# Altium PCB 省电模块版v1.0.PcbDoc
Units mil, origin at the board's own origin, x right, y up, seen from the top; angles counter-clockwise.
Board outline 6000 x 4000 mil, 2 copper layers (Top Layer, Bottom Layer); 9 components, 25 nets, 73 pads, 27 vias.
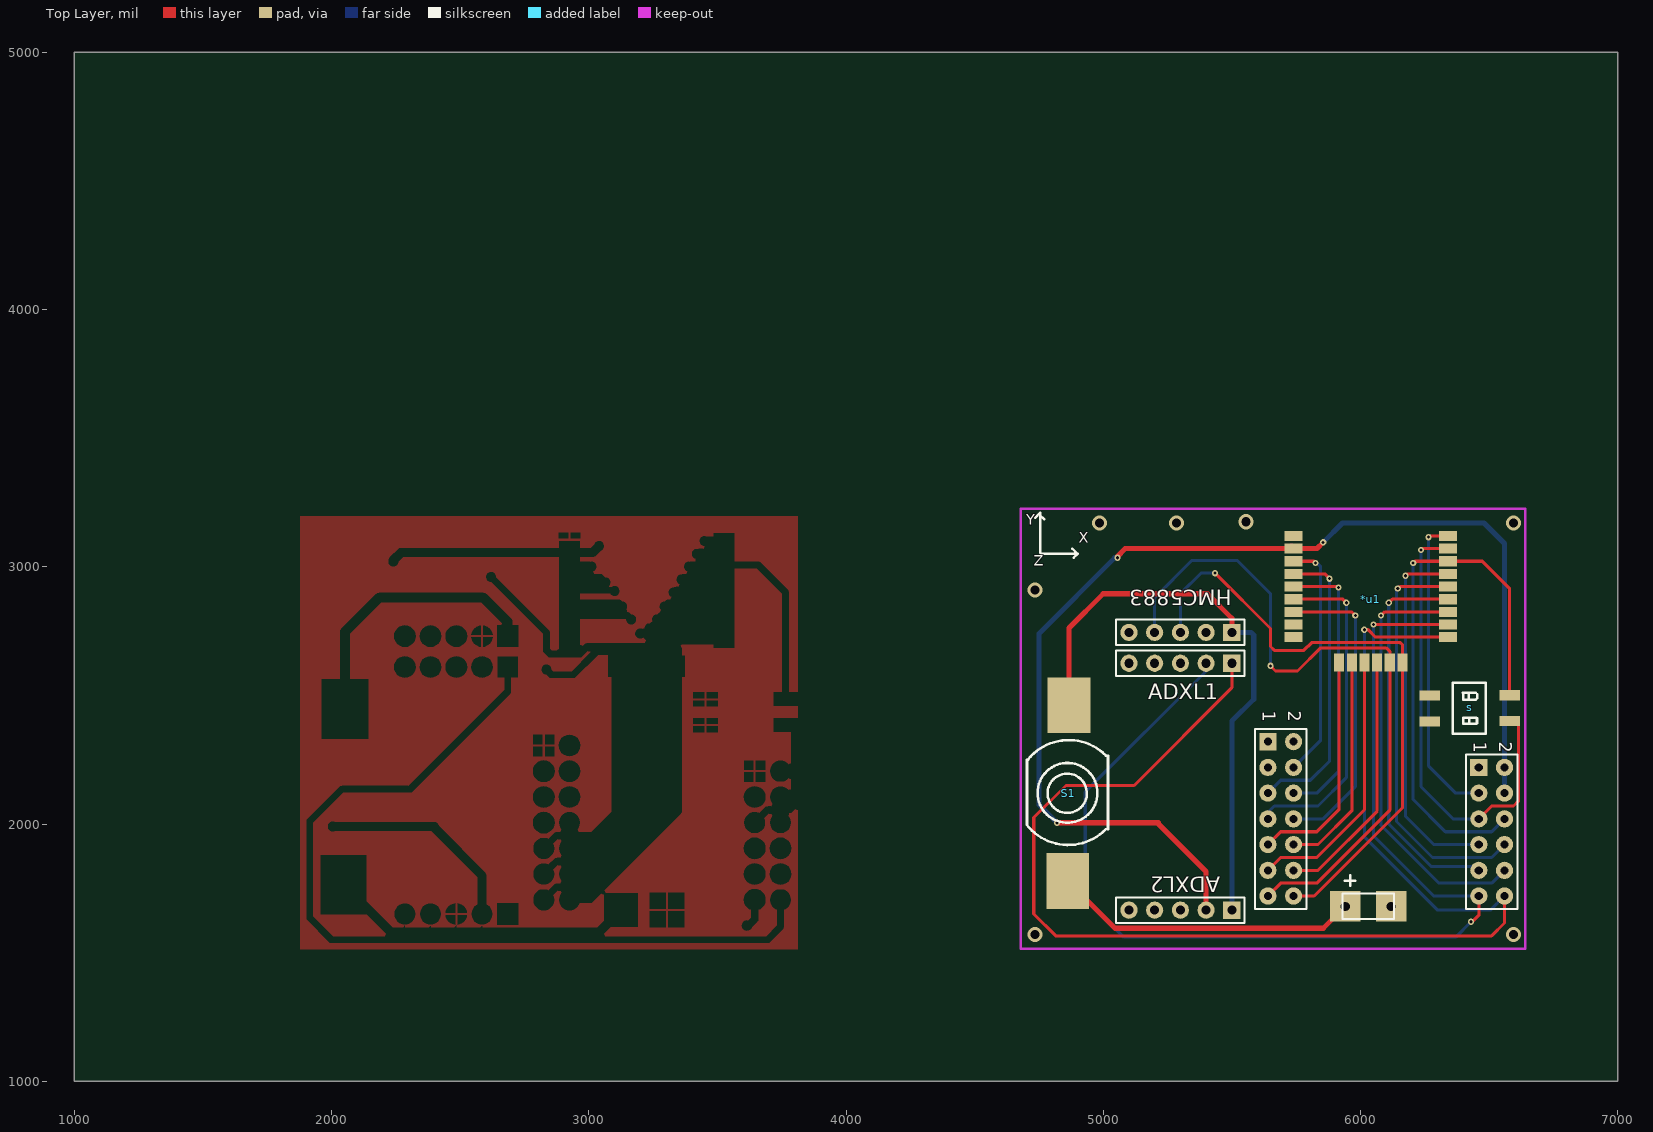
[diagram p0: Top Layer view]
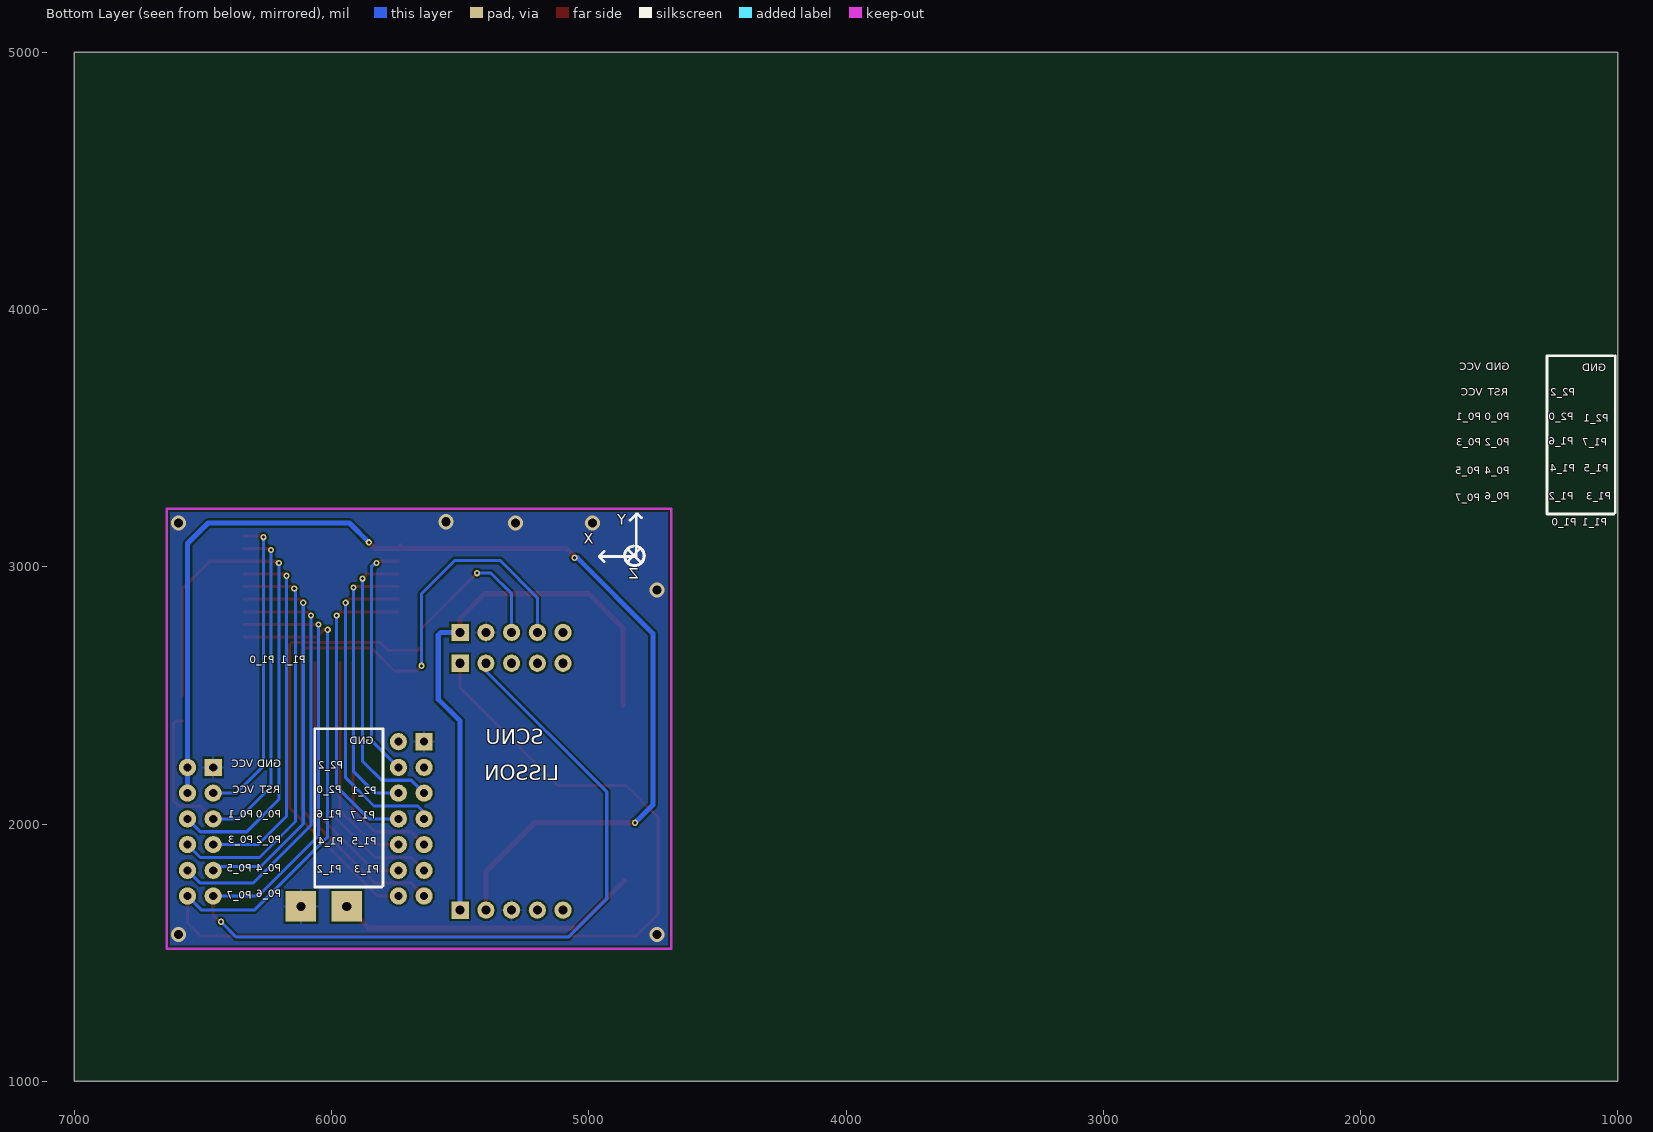
[diagram p1: Bottom Layer view, seen from below]

## Layer stack, top to bottom
Top Layer: signal copper 1.4
Dielectric: dielectric 12.6, FR-4, Dk 4.8
Bottom Layer: signal copper 1.4

## Board outline
1000,1000 7000,1000 7000,5000 1000,5000

## Design rules (kind name [scope] priority, off if disabled: settings)
Clearance [All] p1: gap=8
ComponentClearance [All] p1: gap=10 collisioncheckmode=3 verticalgap=10
PolygonConnect [All] p1: connectstyle=Relief reliefconductorwidth=10 reliefentries=4 polygonreliefangle="90 Angle"
RoutingVias [All] p1: holewidth=28 width=50 viastyle="Through Hole" minholewidth=12 minwidth=12 maxholewidth=78.74 maxwidth=78.74
SolderMaskExpansion [All] p1: expansion=4
TestPointUsage [All] p1: valid=0 allowmultiple=FALSE
Testpoint [All] p1: side=15 testpointundercomponent=TRUE minsize=40 maxsize=100 preferedsize=60 minholesize=0 maxholesize=40 preferedholesize=32 testpointgrid=1 style=1023 order=0123456789
Width [All] p1: maxlimit=20 minlimit=10 preferedwidth=10
18 further rules are at their usual default settings.

## Classes and differential pairs
component class 省电模块版v1.0: *u1

## Components (designator, comment, footprint, x,y, rotation, side; value= is the part's Value field where it differs from the comment)
*u1 "mini_zigzee" mini_zigbee 5740,3120 r0 top
ADXL1 "Header 5H" HDR1X5 5500,2625 r180 top
ADXL2 "Header 5H" HDR1X5 5500,1665 r180 top
HMC5883 "Header 5" HDR1X5 5500,2745 r180 top (schematic designator HMCL5883)
JP2 "Header 2X7" HDR2-7 5640,2320 r270 top
JP3 "Header 2X6" HDR2-6 6460,2220 r270 top
s "贴片拨码开关" 贴片拨码开关 6580,2400 r90 top
S1 "SW-SPST" 手电筒开关 4860,2120 r270 top
电源 "" HDR1X2 6080,1680 r180 top

## Footprints (in the part's own frame and the unit in brackets; to place one, negate y for a bottom-side part, rotate by r counter-clockwise, add the part's x,y. Pads: shape width x height; smd on the part's side, far side on the other; paste and mask are expansions set on the pad)
HDR1X2 [mm] "Connector; Header; 2 Position"
  rect 3x3 hole 0.9: 1(-1,0) 2(3.54,0)
  silkscreen extent -1.27,-1.27 3.81,1.27
HDR1X5 [mm] "Connector; Header; 5 Position"
  rect 1.7x1.7 hole 0.9: 1(0,0)
  round 1.7 hole 0.9: 2(2.54,0) 3(5.08,0) 4(7.62,0) 5(10.16,0)
  silkscreen extent -1.27,-1.27 11.43,1.27
HDR2-6 [mm]
  rect 1.7x1.7 hole 0.8: 1(0,0)
  round 1.7 hole 0.8: 2(0,2.54) 3(2.54,0) 4(2.54,2.54) 5(5.08,0) 6(5.08,2.54) 7(7.62,0) 8(7.62,2.54) 9(10.16,0) 10(10.16,2.54) 11(12.7,0) 12(12.7,2.54)
  silkscreen extent -1.27,-1.27 13.97,3.81
HDR2-7 [mm]
  rect 1.7x1.7 hole 0.8: 1(0,0)
  round 1.7 hole 0.8: 2(0,2.54) 3(2.54,0) 4(2.54,2.54) 5(5.08,0) 6(5.08,2.54) 7(7.62,0) 8(7.62,2.54) 9(10.16,0) 10(10.16,2.54) 11(12.7,0) 12(12.7,2.54) 13(15.24,0) 14(15.24,2.54)
  silkscreen extent -1.27,-1.27 16.51,3.81
mini_zigbee [mm] "zigbee"
  rect 1.75x1 smd: 1(0,0) 2(0,-1.25) 3(0,-2.5) 4(0,-3.75) 5(0,-5) 6(0,-6.25) 7(0,-7.5) 8(0,-8.75) 9(0,-10) 16(15.25,-10) 17(15.25,-8.75) 18(15.25,-7.5) 19(15.25,-6.25) 20(15.25,-5) 21(15.25,-3.75) 22(15.25,-2.5) 23(15.25,-1.25) 24(15.25,0)
  rect 1x1.75 smd: 10(4.5,-12.5) 11(5.75,-12.5) 12(7,-12.5) 13(8.25,-12.5) 14(9.5,-12.5) 15(10.75,-12.5)
手电筒开关 [mm]
  rect 5.5x4.2 smd: 1(8.675,0.05) 2(-8.675,0.175)
  silkscreen extent -5.24,-4 5.12,4.03
贴片拨码开关 [mm]
  rect 1x2 smd: 1(0,0) 2(2.55,0) 3(2.525,7.9) 4(-0.025,7.9)
  silkscreen extent -1.25,2.37 3.77,5.63

## Part data
ADXL1 ADXL2: "Header, 5-Pin, Right Angle"
HMC5883: "Header, 5-Pin"
JP2: "Header, 7-Pin, Dual row"
JP3: "Header, 6-Pin, Dual row"
S1: "Single-Pole, Single-Throw Switch"
电源: library part H-2, "Header, 2-Pin"

## Via types
v1: diameter 24, hole 12, Top Layer to Bottom Layer, 20 vias
v2: diameter 59.06, hole 35.43, Top Layer to Bottom Layer, 7 vias

## Nets (pads, with @x,y where several pads share a name; then routed paths per layer and width w, separated by ;. In a path a pad name is that pad's centre, name@x,y a point inside that pad or via, vN(x,y) a via of type N, cw(c..) or ccw(c..) an arc to the next point about the centre after c; other vN are vias at no path point)
3.3V: *u1.2 ADXL2.2 JP3.2 JP3.4 | length 4582.8
  Top Layer w20: v1(4820,2005) 5215,2005 5215,2000 5400,1815 ADXL2.2 ; v1(5055,3035) 5055,3040 5085.79,3070.79 5830.79,3070.79 v1(5855,3095) ; *u1.2@5730.79,3080 *u1.2
  Bottom Layer w20: v1(4820,2005) 4750,2075 4750,2740 5045,3035 v1(5055,3035) ; v1(5855,3095) 5930,3170 6480,3170 6560,3090 JP3.4
345SCL: *u1.16 ADXL1.1 JP3.12 | length 5268.2
  Top Layer w12: ADXL1.1 5500,2530 5120,2150 4855,2150 4730,2025 4730,1650 4815,1565 6510,1565 6560,1615 JP3.12 ; v1(6015,2755) 6030,2755 6058.7,2726.3 *u1.16
  Bottom Layer w12: v1(6015,2755) 6015,1950 6300,1665 6505,1665 JP3.12
345SDA: *u1.17 ADXL1.2 JP3.11 | length 4430
  Top Layer w12: v1(6050.51,2775.51) *u1.17 ; v1(6430,1620) 6435,1620 6460,1645 JP3.11
  Bottom Layer w12: ADXL1.2 5400,2595 4930,2125 4930,1710 5080,1560 6370,1560 v1(6430,1620) ; v1(6050.51,2775.51) 6050,2775 6050,1955 6285,1720 JP3.11
5883SCL: *u1.15 HMC5883.3 JP2.14 | length 2426.4
  Top Layer w12: v1(5435,2975) 5650,2760 5650,2690 5665,2675 5780,2675 5810,2705 6155,2705 6163.23,2696.77 6163.23,2063.23 5820,1720 JP2.14
  Bottom Layer w12: HMC5883.3 5300,2895 5380,2975 v1(5435,2975)
5883SDA: *u1.14 HMC5883.4 JP2.13 | length 2723.6
  Top Layer w12: JP2.13 5690,1770 5830,1770 6114.02,2054.02 6114.02,2670.98 6100,2685 5845,2685 5755,2595 5670,2595 v1(5650,2615)
  Bottom Layer w12: HMC5883.4 5200,2880 5345,3025 5520,3025 5650,2895 v1(5650,2615)
DRDY: HMC5883.5
GND: *u1.1 ADXL2.3 HMC5883.2 JP2.1 JP3.1 s.3 s.4 电源.1
  other v2: 4735,1570 6595,1570 4735,2910 4985,3170 5285,3170 6595,3170 5555,3175
NetS1_1: S1.1 电源.2 | length 1189.9
  Top Layer w20: S1.1 5045.43,1595 5855.63,1595 电源.2
P0_0: *u1.23 JP3.5 s.1 | length 1827.7
  Top Layer w12: v1(6235,3065) 6240.79,3070.79 *u1.23 ; JP3.5 6510,2070 6595,2070 6615,2090 6615,2390 6605,2400 s.1
  Bottom Layer w12: v1(6235,3065) 6235,2145 6360,2020 JP3.5
P0_1: *u1.22 JP3.6 s.2 | length 2184
  Top Layer w12: v1(6205,3015) 6211.57,3021.57 6473.43,3021.57 6580,2915 s.2
  Bottom Layer w12: v1(6205,3015) 6205,2095 6330,1970 6510,1970 JP3.6
P0_2: *u1.21 JP3.7 | length 1434
  Top Layer w12: v1(6175,2965) 6182.36,2972.36 *u1.21
  Bottom Layer w12: v1(6175,2965) 6175,2030 6285,1920 JP3.7
P0_3: *u1.20 JP3.8 | length 1604.5
  Top Layer w12: v1(6145,2915) 6153.15,2923.15 *u1.20
  Bottom Layer w12: v1(6145,2915) 6140,2910 6140,2010 6280,1870 6510,1870 JP3.8
P0_4: *u1.19 JP3.9 | length 1520.7
  Top Layer w12: v1(6110,2860) 6123.94,2873.94 *u1.19
  Bottom Layer w12: v1(6110,2860) 6110,2000 6275,1835 6445,1835 JP3.9
P0_5: *u1.18 JP3.10 | length 1675.4
  Top Layer w12: v1(6080,2810) 6094.72,2824.72 *u1.18
  Bottom Layer w12: v1(6080,2810) 6080,1995 6305,1770 6510,1770 JP3.10
P1_2: *u1.13 JP2.12 | length 998.1
  Top Layer w12: JP2.12 5835,1820 6064.8,2049.8 *u1.13
P1_3: *u1.12 JP2.11 | length 1045.5
  Top Layer w12: JP2.11 5690,1870 5830,1870 6015.59,2055.59 *u1.12
P1_4: *u1.11 JP2.10 | length 857.3
  Top Layer w12: JP2.10 5835,1920 5966.38,2051.38 *u1.11
P1_5: *u1.10 JP2.9 | length 904.7
  Top Layer w12: JP2.9 5690,1970 5830,1970 5917.17,2057.17 *u1.10
P1_6: *u1.7 JP2.8 | length 1202.9
  Top Layer w12: *u1.7 5965.28,2824.72 v1(5980,2810)
  Bottom Layer w12: JP2.8 5855,2020 5980,2145 v1(5980,2810)
P1_7: *u1.6 JP2.7 | length 1276.7
  Top Layer w12: *u1.6 5931.06,2873.94 v1(5945,2860)
  Bottom Layer w12: JP2.7 5640,2045 5665,2070 5835,2070 5945,2180 v1(5945,2860)
P2_0: *u1.5 JP2.6 | length 1101.5
  Top Layer w12: *u1.5 5911.85,2923.15 v1(5915,2920)
  Bottom Layer w12: JP2.6 5830,2120 5915,2205 v1(5915,2920)
P2_1: *u1.4 JP2.5 | length 1148.2
  Top Layer w12: *u1.4 5861.34,2972.36 v1(5880.04,2953.66)
  Bottom Layer w12: JP2.5 5690,2170 5805,2170 5880.04,2245.04 v1(5880.04,2953.66)
P2_2: *u1.3 JP2.4 | length 937.4
  Top Layer w12: *u1.3 5818.43,3021.57 v1(5825,3015)
  Bottom Layer w12: JP2.4 5845,2325 5845,3000 5830,3015 v1(5825,3015)
RESET: *u1.24 JP3.3 | length 1198.9
  Top Layer w12: v1@6270,3120 *u1.24
  Bottom Layer w12: v1(6265,3115) 6265,2225 6370,2120 JP3.3
VCC: ADXL2.1 HMC5883.1 S1.2 | length 2277.3
  Top Layer w20: S1.2 4866.89,2761.89 5000,2895 5405,2895 5500,2800 HMC5883.1
  Bottom Layer w20: ADXL2.1 5500,2400 5585,2485 5585,2735 5575,2745 HMC5883.1
pads on no net: *u1.8 *u1.9 ADXL1.3 ADXL1.4 ADXL1.5 ADXL2.4 ADXL2.5 JP2.2 JP2.3

## Polygon pours and split planes (outlines as drawn)
GND on Top Layer "Bottom Layer-No Net" (solid, remove dead copper, pour order 1000): 4645,3290 6615,3290 6710,3195 6695,3180 6695,1430 4660,1430 4615,1475 4645,1505 4645,3290
GND on Bottom Layer "Bottom Layer-No Net" (solid, remove dead copper, pour order 1001): 4650,3340 6630,3340 6750,3220 6670,3140 6670,1470 4580,1470 4575,1475 4650,1550 4650,3340

## Keep-outs
Keep-Out Layer:
  lines w10: 4680,1515 4680,3225 6640,3225 6640,1515 4680,1515

## Silkscreen, mask and mechanical layers (free items; w line width, h text height)
Top Overlay:
  lines w10: 4735,3190 4755,3210 ; 4755,3205 4755,3210 ; 4770,3185 4755,3200 ; 4880,3070 4900,3050 ; 4885,3035 4900,3050 ; 5940,1780 5980,1780 ; 5960,1760 5960,1800 ; 4755,3200 4755,3210 ; 4755,3200 4755,3210 ; 4755,3210 4755,3055 4760,3050 4900,3050
  text "Y" at 4700,3150 h70
  text "X" at 4905,3080 h70
  text "Z" at 4730,2990 h70
Bottom Overlay:
  lines w10: 1010,3210 1010,3820 ; 1015,3205 1275,3205 1275,3820 1200,3820 1020,3820 ; 4795,3015 4845,3065 4845,3070 ; 4795,3190 4810,3205 4815,3205 ; 4800,3070 4845,3025 4845,3020 ; 4840,3180 4815,3205 ; 4940,3020 4960,3040 ; 4940,3060 4960,3040 ; 4815,3205 4815,3040 4960,3040 ; 5800,1760 5800,2370 5810,2370 5990,2370 6065,2370 6065,1755 5805,1755 5800,1760
  lines w11.81: 4815,3080 ccw(c4822.5,3042.5) 4825.43,3080.63
  text "GND" at 1420,3755 h50
  text "VCC" at 1530,3755 h50
  text "GND" at 1045,3750 h50
  text "P2_2" at 1165,3655 h50
  text "RST" at 1425,3655 h50
  text "VCC" at 1525,3655 h50
  text "P2_0" at 1170,3560 h50
  text "P0_0" at 1420,3560 h50
  text "P0_1" at 1530,3560 h50
  text "P2_1" at 1035,3555 h50
  text "P1_6" at 1170,3465 h50
  text "P1_7" at 1040,3460 h50
  text "P0_2" at 1420,3460 h50
  text "P0_3" at 1530,3460 h50
  text "P1_5" at 1035,3360 h50
  text "P1_4" at 1165,3360 h50
  text "P0_4" at 1420,3350 h50
  text "P0_5" at 1535,3350 h50
  text "P1_3" at 1025,3250 h50
  text "P1_2" at 1170,3250 h50
  text "P0_6" at 1420,3250 h50
  text "P0_7" at 1535,3245 h50
  text "P1_1" at 1040,3150 h50
  text "P1_0" at 1160,3150 h50
  text "Y" at 4855,3150 h70
  text "X" at 4980,3075 h70
  text "Z" at 4805,2940 h70
  text "P1_1" at 6100,2615 h50
  text "P1_0" at 6220,2615 h50
  text "GND" at 5835,2300 h50
  text "SCNU" at 5175,2290 h100
  text "GND" at 6195,2210 h50
  text "VCC" at 6305,2210 h50
  text "P2_2" at 5955,2205 h50
  text "LISSON" at 5115,2150 h100
  text "P2_0" at 5960,2110 h50
  text "RST" at 6200,2110 h50
  text "VCC" at 6300,2110 h50
  text "P2_1" at 5825,2105 h50
  text "P1_6" at 5960,2015 h50
  text "P0_0" at 6195,2015 h50
  text "P0_1" at 6305,2015 h50
  text "P1_7" at 5830,2010 h50
  text "P0_2" at 6195,1915 h50
  text "P0_3" at 6305,1915 h50
  text "P1_5" at 5825,1910 h50
  text "P1_4" at 5955,1910 h50
  text "P0_4" at 6195,1805 h50
  text "P0_5" at 6310,1805 h50
  text "P1_3" at 5815,1800 h50
  text "P1_2" at 5960,1800 h50
  text "P0_6" at 6195,1705 h50
  text "P0_7" at 6310,1700 h50

## Text inside footprints (layer, text, board x,y; h text height)
JP2: Top Overlay "2" at 5720,2440 h50 r270; Top Overlay "1" at 5620,2440 h50 r270
JP3: Top Overlay "2" at 6540,2320 h50 r270; Top Overlay "1" at 6440,2320 h50 r270